# KiCad board RS64c.kicad_pcb (continued)
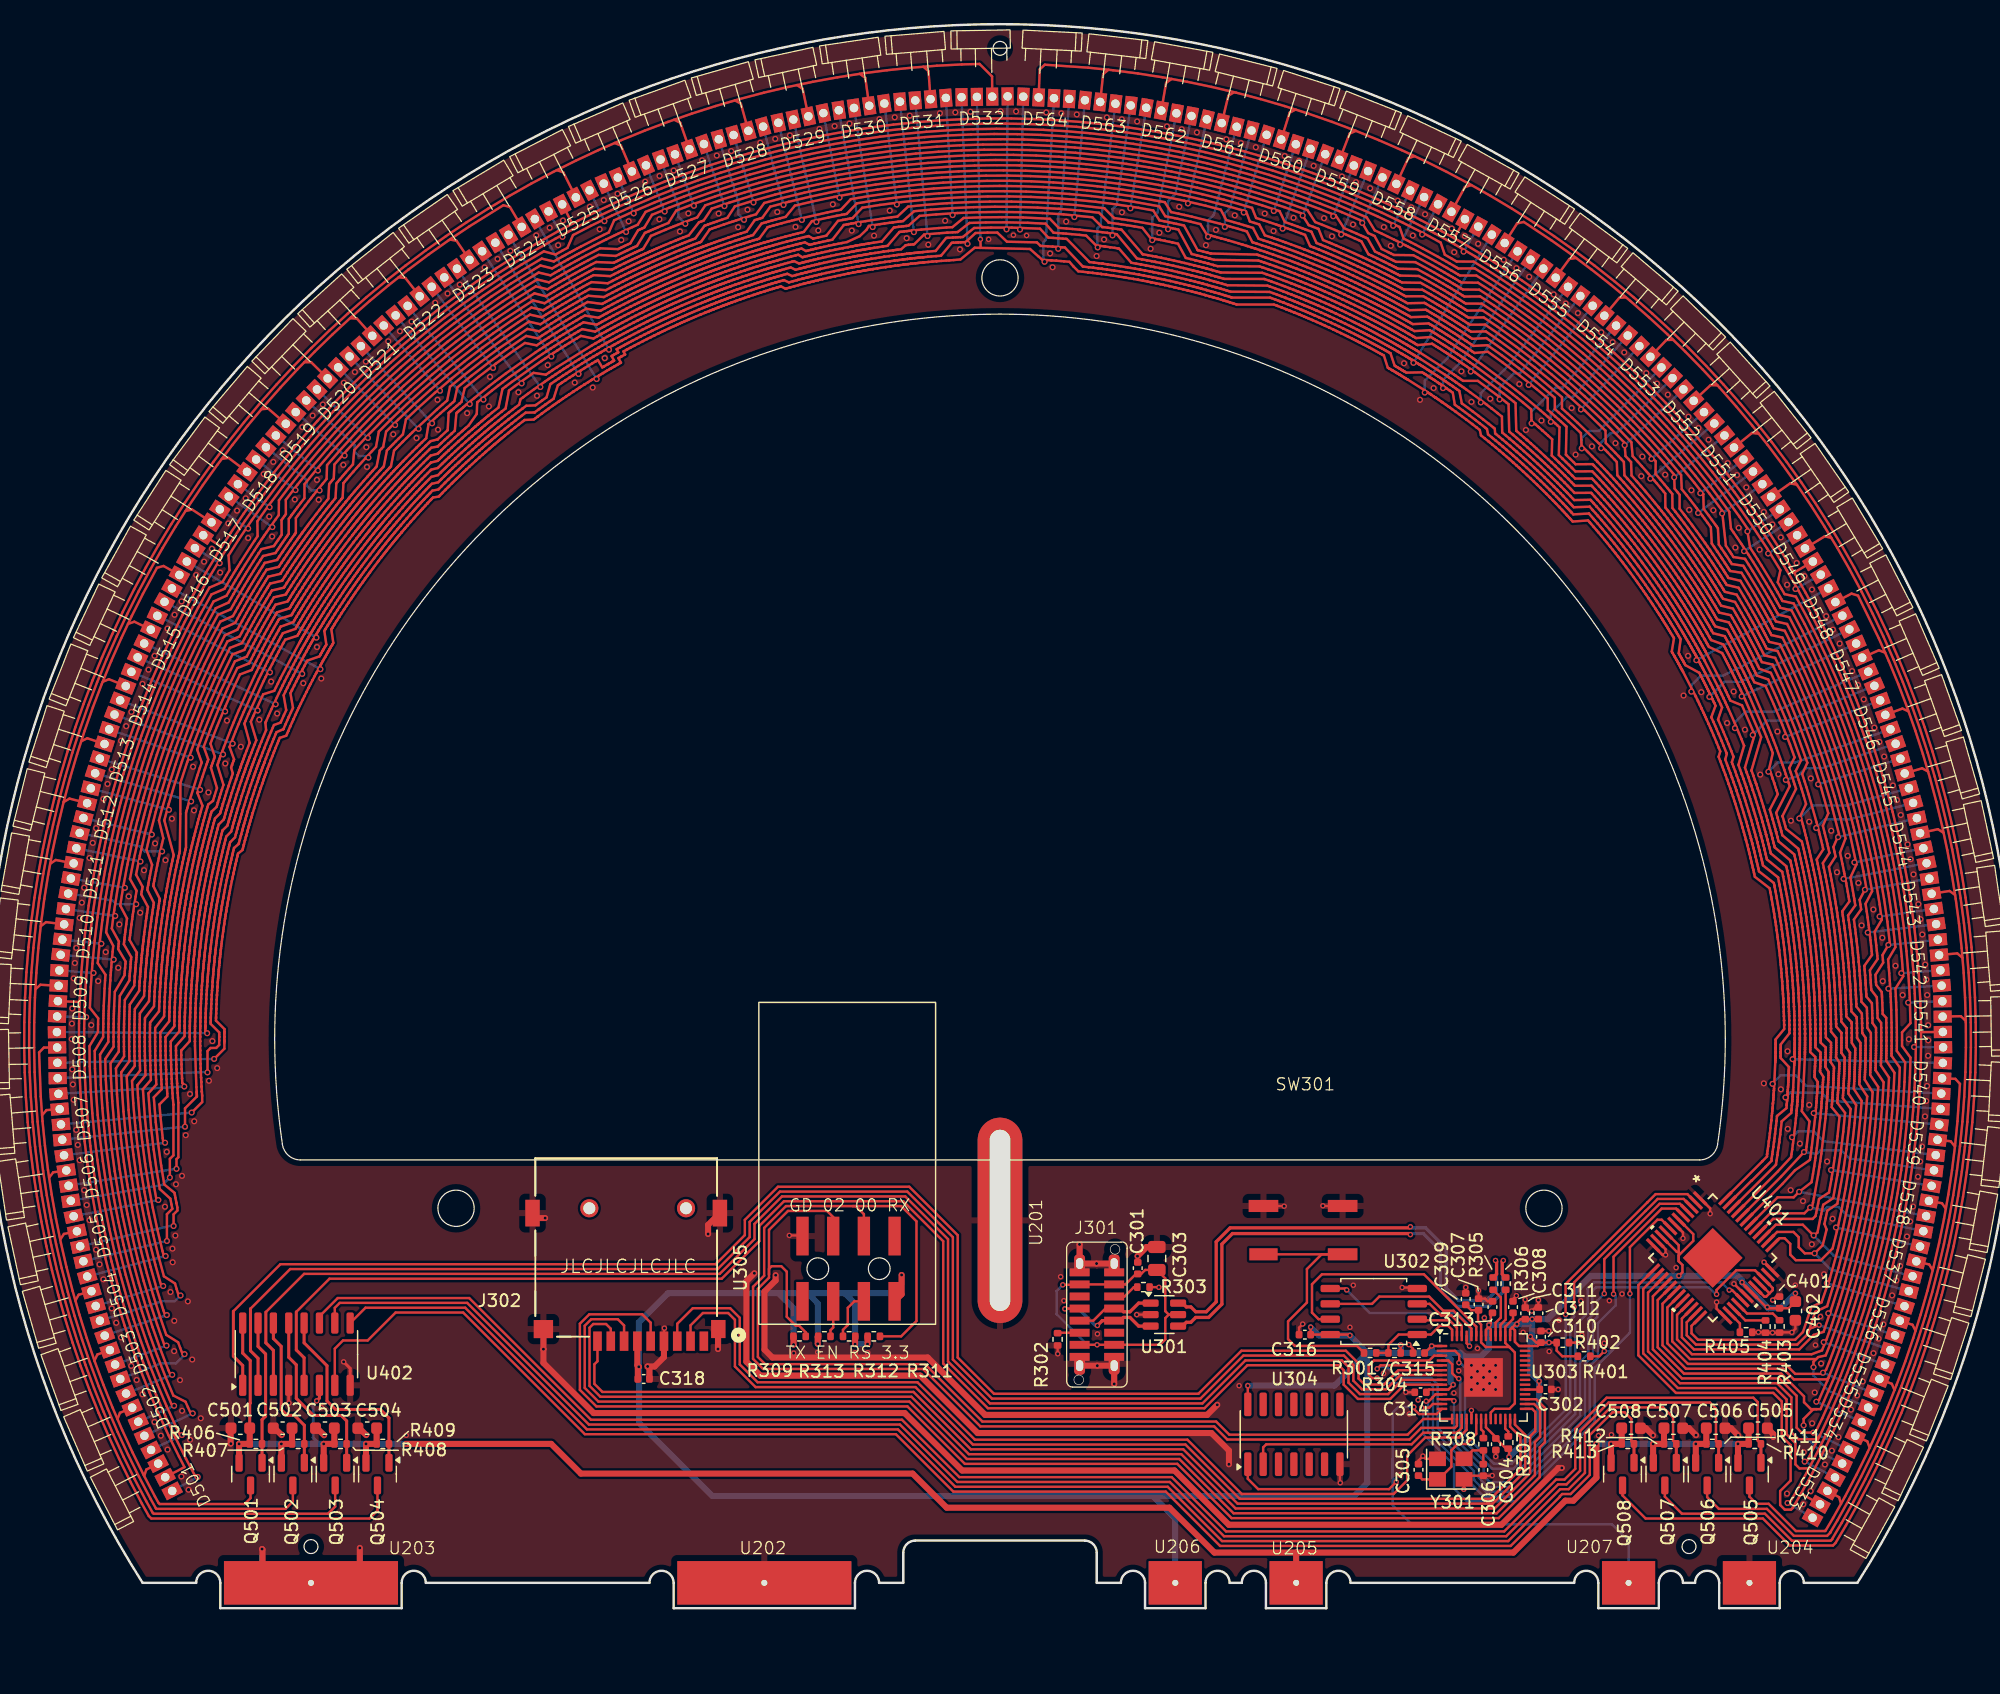
[diagram p0: board, top side]
## Routing (per net, layer and track width the routed paths; a pad name or vN(x,y) marks a point on that pad's centre or on a via; arc(x,y) is an arc through that point) (continued)
LED_G07: length 334.3
  Top w0.2: v2(18.44,44.34) 18.44,46.11 18.69,46.37 19.16,46.37 19.4,46.62 19.4,46.95 19.4,47.02 19.4,47.26 19.4,47.33 19.41,47.5 19.41,47.66 18.7,48.36 18.7,48.5 18.71,48.6 18.71,48.81 18.72,48.96 18.72,49.16 18.73,49.26 18.73,49.52 18.74,49.64 18.75,50.02 18.77,50.39 18.79,50.76 18.79,50.8 18.81,51.13 18.83,51.36 18.84,51.5 18.86,51.79 18.86,51.86 18.87,51.99 18.89,52.15 18.89,52.22 18.9,52.35 18.91,52.5 18.93,52.71 18.95,52.87 18.95,52.93 18.96,53.08 18.98,53.24 19,53.44 19.01,53.61 19.03,53.81 19.05,53.98 19.07,54.17 19.09,54.29 19.11,54.49 19.13,54.65 19.15,54.85 19.17,55.04 19.2,55.21 19.25,55.61 19.26,55.68 19.3,56.04 19.31,56.09 19.33,56.25 19.36,56.4 19.39,56.61 19.41,56.74 19.44,56.97 19.47,57.16 19.49,57.32 19.52,57.49 19.55,57.69 19.58,57.86 19.62,58.06 19.63,58.16 19.65,58.23 19.67,58.37 19.7,58.53 19.73,58.73 19.76,58.89 19.8,59.09 19.83,59.24 19.87,59.46 19.94,59.82 19.95,59.89 20.03,60.25 20.07,60.46 20.1,60.62 20.15,60.82 20.18,60.97 20.23,61.19 20.26,61.34 20.3,61.52 20.34,61.71 20.39,61.92 20.43,62.06 20.47,62.26 20.5,62.35 20.52,62.44 20.54,62.56 20.58,62.72 20.63,62.92 21.02,63.26 21.04,63.32 21.1,63.57 21.13,63.69 21.19,63.9 21.23,64.06 21.31,64.34 21.33,64.43 21.36,64.54 21.41,64.7 21.44,64.81 21.47,64.93 21.49,65 21.55,65.19 21.57,65.26 21.6,65.37 21.66,65.58 21.71,65.74 21.77,65.95 21.88,66.32 21.97,66.6 22.09,66.97 22.21,67.34 22.23,67.4 22.33,67.72 22.42,67.97 22.44,68.04 22.57,68.4 22.64,68.6 22.69,68.76 22.77,68.97 22.82,69.12 22.89,69.31 22.93,69.41 22.95,69.48 23.01,69.62 23.07,69.79 23.14,69.99 23.16,70.03 23.27,70.33 23.28,70.36 23.38,70.61 23.42,70.71 23.53,70.99 23.56,71.08 23.67,71.36 23.68,71.38 23.83,71.73 23.91,71.95 23.92,71.97 24.08,72.34 24.09,72.37 24.15,72.5 24.72,72.75 24.88,73.12 24.91,73.19 25.04,73.49 25.14,73.71 25.17,73.78 25.34,74.15 25.44,74.35 25.51,74.52 25.3,75.73 25.4,75.94 25.43,76 25.6,76.34 25.61,76.36 25.77,76.68 25.79,76.72 25.9,76.92 25.95,77.02 26.12,77.35 26.29,77.68 26.47,78.01 26.58,78.23 26.64,78.33 26.69,78.42 27.71,78.78 27.8,78.94 27.87,79.08 27.97,79.24 28.02,79.34 28.06,79.4 28.15,79.55 28.18,79.61 28.27,79.76 28.1,80.88 28.16,80.97 28.21,81.06 28.32,81.23 28.41,81.38 28.51,81.54 28.56,81.62 28.6,81.69 28.7,81.84 28.76,81.94 28.8,82 28.96,82.26 28.99,82.31 29.16,82.57 29.19,82.61 29.37,82.89 29.39,82.92 29.57,83.19 29.7,83.39 29.77,83.5 29.94,83.74 29.98,83.8 30.05,83.91 30.14,84.04 30.18,84.1 30.26,84.21 30.34,84.33 30.46,84.5 30.55,84.64 30.59,84.69 30.67,84.81 30.77,84.94 30.89,85.11 30.98,85.24 31.1,85.4 31.2,85.54 31.32,85.7 31.39,85.8 31.51,85.96 31.6,86.09 31.72,86.25 31.83,86.4 31.94,86.54 32.18,86.86 32.25,86.94 32.45,87.2 32.48,87.24 32.58,87.36 32.68,87.49 32.71,87.54 32.8,87.65 32.89,87.76 32.95,87.83 33.03,87.94 33.15,88.09 33.26,88.22 33.36,88.34 33.43,88.43 33.52,88.54 33.6,88.64 33.67,88.72 33.73,88.79 33.8,88.88 33.84,88.93 33.93,89.04 34.04,89.16 34.17,89.32 34.28,89.44 34.42,89.62 34.51,89.71 34.65,89.88 34.68,89.91 34.89,90.15 34.94,90.21 35.18,90.49 35.32,90.64 35.43,90.77 35.48,90.81 35.57,90.92 35.65,91.01 35.75,91.11 35.82,91.2 35.93,91.31 36.02,91.41 36.06,91.45 36.17,91.57 36.33,91.75 36.43,91.85 36.58,92.01 36.64,92.07 36.7,92.14 36.78,92.22 36.9,92.34 37.04,92.49 37.54,92.59 37.59,92.64 37.77,92.83 37.83,92.88 38.01,93.06 38.12,93.17 38.34,93.39 38.4,93.45 38.48,93.53 38.6,93.65 38.68,93.73 38.77,93.81 38.83,93.87 38.97,94 39.02,94.05 39.11,94.13 39.26,94.28 39.39,94.4 39.54,94.55 39.83,94.81 40.04,95.01 40.33,95.27 40.38,95.32 40.62,95.53 40.67,95.58 40.91,95.8 40.95,95.83 41.12,95.97 41.24,96.08 41.46,96.27 41.53,96.33 41.62,96.41 41.75,96.52 41.92,96.67 42.04,96.77 42.2,96.9 42.28,96.97 42.33,97.02 42.45,97.11 42.58,97.22 42.75,97.36 42.79,97.39 43.03,97.59 43.06,97.61 43.27,97.78 43.35,97.84 43.58,98.03 43.66,98.1 43.9,98.28 43.91,98.29 44.21,98.53 44.4,98.67 44.42,98.68 44.74,98.93 44.76,98.95 45.5,98.97 45.82,99.21 45.88,99.25 46.15,99.44 46.34,99.58 46.4,99.63 46.73,99.86 46.92,99.99 47.07,100.1 47.42,101.21 47.49,101.25 47.68,101.38 47.74,101.42 48.06,101.63 48.08,101.64 48.38,101.84 48.42,101.86 48.6,101.99 48.69,102.04 49.01,102.25 49.32,102.44 49.64,102.64 49.95,102.83 50.27,103.02 50.54,103.19 50.58,103.21 50.73,103.3 51.1,102.69 51.25,102.78 51.56,102.96 51.65,103.01 51.86,103.13 51.93,103.17 52.08,103.26 51.86,103.63 51.96,103.68 52.05,103.74 52.26,103.85 52.42,103.94 52.28,104.19 52.37,104.24 52.59,104.36 52.68,104.41 52.86,104.51 53,104.58 53.17,104.68 53.26,104.72 53.49,104.84 53.59,104.9 53.93,105.07 54.26,105.25 54.3,105.27 54.59,105.41 54.62,105.43 54.92,105.58 54.95,105.59 55.13,105.68 55.25,105.74 55.52,105.87 55.58,105.9 55.7,105.96 55.84,106.03 55.91,106.06 56.02,106.11 56.16,106.18 56.35,106.27 56.5,106.34 56.55,106.36 56.68,106.42 56.83,106.49 57.02,106.58 57.17,106.64 57.35,106.73 57.51,106.8 57.69,106.88 57.8,106.92 57.98,107 58.13,107.07 58.31,107.15 58.48,107.22 58.65,107.29 59.02,107.44 59.12,107.49 59.39,107.6 59.47,107.63 59.61,107.69 59.77,107.75 59.82,107.77 59.95,107.82 60.08,107.87 60.17,107.91 60.29,107.95 60.47,108.02 60.63,108.08 60.78,108.14 60.89,108.19 61.01,108.23 61.13,108.28 61.26,108.33 61.42,108.38 61.49,108.41 61.63,108.46 61.77,108.51 61.97,108.58 62.12,108.64 62.31,108.7 62.45,108.75 62.66,108.83 62.74,108.85 63.01,108.95 63.1,108.98 63.43,109.09 63.63,109.15 63.79,109.2 63.82,109.22 63.98,109.27 64.1,109.3 64.34,109.38 64.49,109.43 64.67,109.48 64.83,109.53 65.05,109.6 65.2,109.64 65.4,109.7 65.48,109.73 65.57,109.76 65.68,109.79 65.84,109.84 66.04,109.89 66.13,109.92 66.53,109.73 66.59,109.75 66.84,109.82 66.92,109.84 67.17,109.9 67.31,109.94 67.61,110.02 67.7,110.04 67.81,110.07 67.99,110.12 68.08,110.14 68.2,110.17 68.27,110.19 68.47,110.24 68.54,110.26 68.65,110.28 68.86,110.33 69.03,110.37 69.24,110.42 69.61,110.51 69.9,110.57 70.28,110.66 70.66,110.74 70.72,110.75 71.05,110.82 71.31,110.87 71.38,110.88 71.75,110.96 71.8,110.97 71.96,111 72.13,111.03 72.2,111.04 72.35,111.07 72.51,111.1 72.6,111.11 72.71,111.13 72.82,111.15 72.89,111.16 73.03,111.19 73.21,111.22 73.42,111.25 73.46,111.26 73.78,111.31 73.81,111.32 74.08,111.36 74.48,111.42 74.51,111.42 74.87,111.48 74.9,111.48 75.28,111.53 75.5,111.56 75.67,111.58 75.93,111.62 76.06,111.63 76.17,111.65 76.34,111.67 76.56,111.69 76.63,111.7 76.73,111.71 76.94,111.74 77.03,111.75 77.19,111.76 77.33,111.78 77.43,111.79 77.6,111.8 77.72,111.82 78,111.84 78.05,111.85 78.31,111.87 78.72,111.9 79.11,111.94 79.12,111.94 80.01,113 80.14,113.01 80.36,113.02 80.54,113.03 80.76,113.05 80.94,113.05 81.16,113.06 ; v2(81.31,112.92) 81.31,113.04 81.35,113.07 81.16,113.06 ; 81.16,113.06 81.98,113.82 82.97,113.85 83.78,113.85 84.58,113.1 87.05,113.04 87.36,112.75 87.55,112.74 87.95,112.72 88.35,112.69 88.75,112.66 89.14,112.63 89.37,112.62 90.86,111.03 90.92,111.03 91.32,110.99 91.36,110.98 91.71,110.94 91.75,110.94 92.09,110.89 92.14,110.89 92.37,110.86 92.47,110.84 92.84,110.79 92.85,110.79 93.23,110.74 93.45,110.71 93.9,110.64 94.33,110.57 94.49,110.54 94.72,110.51 95.11,110.44 95.5,110.37 95.55,110.36 95.87,110.3 95.93,110.29 96.28,110.22 96.31,110.22 96.53,110.17 96.65,110.15 96.91,110.09 97.02,110.07 97.31,110.01 97.38,110 97.6,109.95 97.71,109.93 98.04,109.85 98.1,109.84 98.49,109.75 98.61,109.72 98.88,109.66 99.25,109.57 99.62,109.48 99.69,109.46 99.98,109.39 100.06,109.37 100.28,109.31 100.43,109.27 100.66,109.21 100.76,109.18 101.04,109.11 101.12,109.08 101.42,109 101.47,108.99 101.68,108.93 101.8,108.89 102.11,108.8 102.18,108.78 102.43,108.71 102.57,108.67 102.67,108.63 102.79,108.6 102.95,108.55 103.05,108.52 103.14,108.49 103.16,108.47 106.34,108.47 106.46,108.43 106.72,108.33 106.81,108.3 107,108.23 107.15,108.17 107.42,108.07 107.5,108.04 107.77,107.93 107.85,107.9 108.03,107.83 108.12,107.79 108.22,107.75 108.44,107.66 108.58,107.61 108.81,107.51 108.97,107.45 109.16,107.37 109.31,107.31 109.42,107.26 109.49,107.23 109.66,107.16 109.83,107.09 109.96,107.03 110.02,107 110.37,106.85 110.42,106.83 110.71,106.7 110.79,106.66 110.94,106.59 111.06,106.54 111.12,106.51 111.4,106.38 111.45,106.36 111.74,106.23 111.77,106.21 111.96,106.12 112.07,106.07 112.35,105.93 112.4,105.91 112.72,105.76 112.86,105.69 112.98,105.63 113.07,105.58 113.31,105.47 113.39,105.42 113.49,105.37 113.64,105.3 113.71,105.26 113.82,105.21 113.97,105.13 114.14,105.04 114.3,104.96 114.47,104.87 114.63,104.78 114.8,104.69 114.96,104.6 115.13,104.52 115.3,104.42 115.46,104.34 115.63,104.24 115.79,104.15 115.9,104.09 115.97,104.05 116.12,103.97 116.21,103.92 116.3,103.86 116.65,102.84 116.75,102.77 116.87,102.7 117.01,102.62 117.09,102.58 117.2,102.51 117.31,102.44 117.42,102.38 117.48,102.34 117.62,102.26 118.93,102.28 119.08,102.19 119.14,102.15 119.24,102.09 119.39,101.99 119.56,101.88 119.7,101.79 119.87,101.68 120.01,101.59 120.19,101.47 120.33,101.37 120.5,101.26 120.66,101.15 120.82,101.04 120.95,100.96 120.98,100.93 121.14,100.82 121.26,100.74 121.46,100.6 121.62,99.61 121.66,99.58 121.95,99.37 121.98,99.35 122.28,99.13 122.47,98.99 122.81,98.73 122.85,98.7 123.31,98.35 123.36,98.32 123.69,98.06 123.7,98.06 124.18,97.68 124.28,97.59 124.37,97.15 124.69,96.89 124.81,96.79 125,96.64 125.3,96.39 125.6,96.14 125.64,96.1 125.89,95.89 125.94,95.85 126.21,95.61 126.23,95.6 126.4,95.45 126.49,95.36 126.69,95.19 126.77,95.12 126.99,94.92 127.05,94.87 127.21,94.72 127.3,94.64 127.54,94.42 127.59,94.37 127.89,94.1 127.97,94.02 128.17,93.83 128.45,93.57 128.73,93.3 128.78,93.25 129,93.04 129.05,92.99 129.21,92.82 129.32,92.72 129.49,92.55 129.56,92.48 129.77,92.27 129.83,92.21 130.04,91.99 130.09,91.95 130.24,91.79 130.32,91.7 130.55,91.47 130.6,91.42 130.78,91.22 130.87,91.12 130.95,91.05 131.03,90.96 131.15,90.83 131.21,90.76 131.28,90.69 131.42,90.53 132.71,90.6 132.72,90.59 132.97,90.31 133.12,90.14 133.21,90.04 133.42,89.8 133.45,89.76 133.69,89.48 133.8,89.35 133.83,89.31 134.12,88.97 134.36,88.68 134.49,88.52 134.59,88.4 134.78,88.18 134.82,88.11 135.01,87.88 135.05,87.83 135.19,87.66 135.25,87.59 135.46,87.32 135.48,87.3 135.7,87 135.81,86.86 135.93,86.71 136.1,86.48 136.15,86.42 136.37,86.13 136.45,86.01 136.5,85.95 136.75,85.6 136.99,85.27 137.09,85.14 137.2,84.98 137.38,84.73 137.41,84.69 137.59,84.43 137.62,84.39 137.74,84.22 137.8,84.13 137.98,83.86 138.01,83.83 138.21,83.52 138.3,83.4 138.37,83.29 138.42,83.2 138.57,82.98 138.62,82.9 138.68,82.81 138.77,82.67 138.82,82.6 138.88,82.5 138.97,82.36 139.08,82.19 139.17,82.05 139.28,81.88 139.37,81.73 139.47,81.57 139.57,81.41 139.67,81.25 139.77,81.08 139.87,80.93 139.97,80.76 140.06,80.6 140.13,80.5 140.17,80.43 140.25,80.28 140.31,80.19 140.15,79.04 140.21,78.93 140.28,78.81 140.35,78.67 140.4,78.59 140.46,78.47 140.53,78.36 140.59,78.25 140.62,78.19 140.7,78.05 141.85,77.42 141.93,77.26 141.96,77.19 142.02,77.08 142.1,76.93 142.19,76.75 142.27,76.6 142.36,76.42 142.43,76.27 142.53,76.08 142.6,75.93 142.7,75.74 142.78,75.57 ; 149.13,42.26 149.12,42.16 149.11,42 149.11,41.96 149.09,41.77 149.08,41.62 149.06,41.38 148.28,40.74 148.28,40.7 148.24,40.34 148.24,40.31 148.2,39.94 148.17,39.71 148.17,39.67 148.12,39.28 148.11,39.23 148.07,38.88 148.04,38.65 148.03,38.55 147.98,38.18 147.97,38.17 147.92,37.79 147.89,37.57 147.83,37.21 147.83,37.03 146.21,35.41 146.19,35.41 U401.47 ; 149.13,42.26 149.14,42.38 149.15,42.54 149.17,42.76 149.18,42.92 149.19,43.16 149.2,43.33 149.21,43.5 149.22,43.67 149.22,43.73 149.23,43.87 149.24,44.05 149.24,44.12 149.25,44.29 149.25,44.42 149.26,44.52 149.26,44.6 149.27,44.7 149.27,44.79 148.58,45.54 148.58,45.7 148.58,45.92 148.59,46.07 148.59,46.25 148.59,46.45 148.59,46.61 148.59,46.67 149.31,47.58 149.31,47.87 149.3,47.94 149.3,48.25 149.3,48.31 149.29,48.63 149.29,48.67 149.28,49.01 149.27,49.23 149.27,49.39 149.26,49.77 149.25,49.79 149.24,50.14 149.23,50.3 149.22,50.43 149.22,50.51 149.21,50.78 149.2,50.88 149.18,51.14 149.17,51.31 149.17,51.37 149.16,51.53 149.13,51.89 149.13,51.93 149.11,52.25 149.1,52.36 149.08,52.58 149.08,52.62 149.05,52.93 149.04,52.99 149.02,53.29 149,53.48 148.98,53.65 148.94,54.05 148.89,54.49 148.88,54.55 148.87,54.7 148.82,55.06 148.81,55.13 148.78,55.42 148.75,55.62 148.73,55.79 148.68,56.16 148.67,56.19 148.63,56.53 148.61,56.62 148.58,56.83 148.57,56.9 148.52,57.2 148.51,57.27 148.47,57.56 148.44,57.72 148.41,57.92 148.34,58.29 148.27,58.73 148.26,58.77 148.23,58.94 148.16,59.3 148.15,59.36 148.09,59.67 148.06,59.83 148.02,60.02 146.79,60.98 146.74,61.19 146.72,61.29 146.7,61.38 146.66,61.55 146.63,61.67 146.61,61.78 146.58,61.91 146.51,62.17 146.5,62.24 146.42,62.56 146.38,62.7 146.34,62.88 146.32,62.94 146.25,63.24 146.22,63.32 146.15,63.6 146.12,63.72 146.06,63.93 146.02,64.08 145.96,64.3 145.94,64.37 145.86,64.67 145.84,64.74 145.73,65.11 145.62,65.48 145.55,65.74 145.51,65.85 145.37,66.3 145.24,66.72 145.17,66.93 145.05,67.29 145.04,67.32 144.94,67.64 144.9,67.76 144.82,67.97 144.81,68 144.7,68.34 144.68,68.39 144.57,68.7 144.55,68.76 144.41,69.13 144.28,69.49 144.2,69.71 144.14,69.87 144,70.24 144.13,70.7 144.09,70.8 143.86,71.37 143.86,71.38 143.7,71.77 143.68,71.82 143.45,72.35 143.44,72.4 143.26,72.79 143.17,73.01 143.02,73.35 143.01,73.38 142.86,73.71 142.84,73.75 143.19,74.69 143.09,74.91 143.03,75.04 142.95,75.21 142.93,75.26 142.86,75.39 142.78,75.57 ; 149.13,42.26 v2(148.98,42.27) ; 142.78,75.57 v2(142.68,75.42)
  Bottom w0.2: D532.4 v2(81.31,112.92) ; D524.4 v2(49.13,102.15) ; v2(148.98,42.27) 149.38,42.67 151.95,42.67 152.62,42 D540.4 ; D516.4 v2(26.28,77.33) ; D508.4 18.26,44.38 18.41,44.38 v2(18.44,44.34) ; D548.4 145.28,76.67 143.93,76.67 v2(142.68,75.42) ; D556.4 122.11,103.13 120.65,101.66 v2(120.65,100.98) ; D564.4 89.05,115.6 88.82,115.37 v2(88.82,112.51)
LED_r00: length 11.9
  Top w0.25: Q501.1 R406.2 22.95,15.6 23.24,15.9 23.24,21.04 22.62,21.67 U402.15
LED_R00: length 362.8
  Top w0.2: D541.3 160.2,47.68 ; D509.3 7.86,50.17 ; D525.3 48.62,114.59 ; D501.3 16.53,11.68 16.08,12.55 15.22,14.31 14.4,16.08 13.62,17.88 12.9,19.7 12.22,21.53 11.59,23.38 11,25.25 10.46,27.13 9.97,29.02 9.54,30.93 9.14,32.84 8.8,34.77 8.51,36.71 8.27,38.65 8.08,40.59 7.94,42.54 7.84,44.5 7.8,46.45 7.81,48.41 7.87,50.36 7.98,52.32 8.14,54.27 8.35,56.21 8.61,58.15 8.91,60.08 9.27,62 9.68,63.92 10.13,65.82 10.64,67.71 11.19,69.59 11.79,71.45 12.44,73.29 13.14,75.12 13.88,76.93 14.67,78.72 15.5,80.49 16.38,82.24 17.31,83.96 18.28,85.66 19.29,87.33 20.34,88.98 21.44,90.6 22.57,92.19 23.75,93.76 24.97,95.29 26.23,96.79 27.52,98.25 28.85,99.68 30.22,101.08 31.62,102.45 33.06,103.77 34.53,105.06 36.04,106.31 37.57,107.52 39.14,108.69 40.73,109.83 42.36,110.92 44.01,111.96 45.69,112.97 47.39,113.93 49.12,114.85 50.87,115.72 52.64,116.55 54.43,117.33 56.25,118.07 58.08,118.76 59.92,119.4 61.79,119.99 63.67,120.54 65.56,121.03 67.46,121.48 69.38,121.88 71.3,122.23 73.23,122.54 75.17,122.79 77.12,122.99 79.07,123.14 81.02,123.24 82.98,123.29 84.93,123.29 86.89,123.25 88.84,123.15 90.79,123 92.74,122.8 94.68,122.55 96.61,122.25 98.54,121.9 100.45,121.5 102.36,121.06 104.25,120.56 106.13,120.02 107.99,119.42 109.84,118.78 111.67,118.1 113.48,117.36 115.28,116.58 117.05,115.76 118.8,114.89 120.53,113.97 122.24,113.01 123.91,112.01 125.57,110.96 127.19,109.88 128.79,108.75 130.36,107.58 131.89,106.37 133.4,105.12 134.87,103.83 136.31,102.51 137.72,101.14 139.09,99.75 140.42,98.32 141.72,96.85 142.97,95.35 144.19,93.82 145.37,92.26 146.51,90.67 147.61,89.05 148.67,87.41 149.68,85.74 150.65,84.04 151.57,82.31 152.46,80.57 153.29,78.8 154.08,77.01 154.83,75.2 155.53,73.37 156.18,71.53 156.78,69.67 157.34,67.79 157.84,65.9 158.3,64 158.71,62.09 159.07,60.17 159.38,58.24 159.64,56.3 159.85,54.35 160.01,52.4 160.13,50.45 160.19,48.5 160.2,46.54 160.16,44.58 160.07,42.63 159.93,40.68 159.74,38.73 159.5,36.79 159.21,34.86 158.87,32.93 158.48,31.01 158.04,29.11 157.56,27.21 157.02,25.33 156.44,23.46 155.81,21.61 155.13,19.78 154.41,17.96 153.64,16.16 152.82,14.39 151.96,12.63 151.05,10.9 150.1,9.19 149.57,8.28 149.44,8.16 148.92,8.16 148.54,8.54 148.54,9.7 149.4,10.56 149.4,13.5 148.67,14.23 148.67,17.11 147.96,17.82 139.92,17.82 136.81,20.93 136.81,26.73 U401.13 ; D533.3 150.27,9.49 ; D517.3 19.61,87.84 ; D557.3 121.57,113.39 ; D549.3 149.69,85.71
LED_R01: length 352.9
  Top w0.2: 116.7,114.48 115.23,115.19 113.47,115.97 111.7,116.7 109.9,117.39 108.09,118.03 106.26,118.63 104.42,119.17 102.56,119.67 100.69,120.13 98.81,120.53 96.92,120.89 95.02,121.19 93.12,121.45 91.21,121.66 89.29,121.82 87.37,121.93 85.45,122 83.53,122.01 81.6,121.97 79.68,121.89 77.77,121.75 75.85,121.57 73.94,121.33 72.04,121.05 70.15,120.72 68.26,120.34 66.39,119.91 64.52,119.43 62.67,118.91 60.84,118.34 59.02,117.72 57.21,117.06 55.43,116.35 53.66,115.59 52.08,114.87 51.64,113.87 51.2,113.65 50.63,113.37 49.34,112.7 48.98,112.51 48.78,112.4 48.62,112.32 48.42,112.21 48.06,112.01 48,111.97 47.79,111.86 47.44,111.66 47.09,111.46 46.09,111.7 44.48,110.73 42.86,109.7 41.26,108.62 39.7,107.51 38.16,106.35 36.66,105.15 35.18,103.92 33.74,102.65 32.33,101.34 30.95,99.99 29.61,98.61 28.31,97.2 27.04,95.76 25.81,94.28 24.62,92.77 23.47,91.23 22.56,89.95 22.58,88.73 22.31,88.33 21.96,87.79 21.17,86.57 20.96,86.22 20.84,86.03 20.74,85.88 20.62,85.68 20.41,85.33 20.37,85.27 20.25,85.06 20.05,84.72 19.84,84.37 18.77,83.9 17.95,82.43 17.06,80.73 16.22,79 15.42,77.25 14.67,75.48 13.97,73.69 13.31,71.88 12.69,70.06 12.13,68.22 11.61,66.37 11.14,64.51 10.72,62.63 10.34,60.74 10.02,58.85 9.74,56.95 9.51,55.04 9.36,53.39 10,52.43 9.96,51.94 9.92,51.3 9.86,49.85 9.84,49.44 9.83,49.22 9.83,49.04 9.82,48.81 9.82,48.4 9.81,48.33 9.81,48.09 9.81,47.68 9.8,47.28 9.11,46.12 9.13,44.66 9.22,42.74 9.35,40.82 9.54,38.9 9.77,37 10.06,35.09 10.39,33.2 10.77,31.32 11.2,29.44 11.68,27.58 12.2,25.73 12.78,23.89 13.39,22.07 14.06,20.27 14.77,18.48 15.53,16.71 ; 116.7,114.48 v2(116.52,114.41) ; 116.7,114.48 117.05,114.31 117.39,113.36 117.96,113.07 118.39,112.84 118.96,112.54 120.24,111.84 120.59,111.65 120.94,111.45 121.14,111.33 121.21,111.29 121.56,111.08 121.76,110.97 121.91,110.88 123.27,110.89 124.46,110.15 126.06,109.09 127.64,107.99 129.19,106.85 130.71,105.67 132.19,104.45 133.65,103.19 135.07,101.9 136.46,100.57 137.82,99.21 139.14,97.81 140.42,96.38 141.67,94.91 142.88,93.42 144.04,91.89 145.17,90.33 145.83,89.37 v2(145.83,89.12) 146.05,87.78 146.4,87.23 146.66,86.82 147,86.28 147.76,85.04 147.97,84.69 148.17,84.34 148.29,84.14 148.33,84.07 148.53,83.72 148.64,83.52 148.73,83.36 149.66,83.15 150.57,81.46 151.43,79.74 152.24,77.99 153.01,76.23 153.74,74.45 154.42,72.65 155.05,70.84 155.64,69.01 156.17,67.16 156.66,65.3 157.11,63.43 157.5,61.55 157.85,59.66 158.15,57.76 158.4,55.85 158.6,53.94 158.7,52.57 ; v2(158.56,52.56) 158.7,52.57 ; 158.7,52.57 158.72,52.3 158.08,51.28 158.11,50.64 158.13,50.15 158.16,49.52 158.19,48.06 158.19,47.66 158.19,47.25 158.19,47.02 158.19,46.94 158.19,46.53 158.19,46.3 158.19,46.12 158.88,45.16 158.83,43.55 158.71,41.63 158.55,39.72 158.33,37.81 158.07,35.9 157.76,34.01 157.4,32.12 156.99,30.24 156.53,28.37 156.03,26.51 155.47,24.67 154.87,22.85 154.23,21.03 153.54,19.24 152.8,17.46 152.01,15.71 151.47,14.59 151.42,14.53 v2(151.29,14.53) 150.31,14.53 149.9,14.94 149.9,17.58 148.46,19.02 140.41,19.02 138.01,21.42 138.01,25.81 U401.16
  Bottom w0.2: D550.3 v2(145.83,89.12) ; D526.3 v2(53.7,115.44) ; D510.3 v2(9.66,55) ; D518.3 v2(23.57,91.12) ; D558.3 v2(116.52,114.41) ; D534.3 v2(151.29,14.53) ; D502.3 v2(15.68,16.75) ; D542.3 v2(158.56,52.56)
LED_r01: length 13
  Top w0.25: Q502.1 R407.2 26.45,15.14 25.63,15.96 25.02,15.96 24.53,16.45 24.53,21.67 23.89,22.32 U402.14
LED_R02: length 345.5
  Top w0.2: 14.89,21.71 14.27,23.5 13.68,25.29 13.15,27.11 12.66,28.93 12.21,30.77 11.82,32.62 11.47,34.47 11.17,36.34 10.92,38.21 10.71,40.09 10.56,41.97 10.45,43.86 10.42,45.09 11.1,46.07 11.1,46.48 11.09,46.88 11.09,47.28 11.1,47.68 11.1,48.07 11.1,48.3 11.11,48.38 11.11,48.78 11.12,49 11.12,49.18 11.13,49.4 11.14,49.8 11.19,50.68 11.97,51.96 12,52.28 12,52.36 12.01,52.51 12.03,52.68 12.03,52.76 12.04,52.9 12.06,53.07 12.08,53.3 12.09,53.48 12.1,53.55 12.11,53.71 12.13,53.89 11.52,54.95 11.54,55.13 11.56,55.35 11.58,55.53 11.61,55.75 11.63,55.96 11.66,56.15 11.72,56.6 11.78,57.08 11.22,58.15 11.46,59.68 11.81,61.54 12.2,63.39 12.65,65.23 13.13,67.05 13.67,68.86 14.25,70.66 14.88,72.44 15.55,74.21 16.27,75.96 17.03,77.69 17.84,79.4 18.69,81.08 19.31,82.22 20.36,82.67 20.56,83.03 20.76,83.38 20.96,83.72 21.16,84.06 21.36,84.4 21.48,84.6 21.52,84.67 21.73,85.01 21.84,85.2 21.94,85.35 22.05,85.54 22.26,85.88 22.38,86.06 22.6,86.4 22.82,86.74 23.04,87.08 24.06,87.33 24.24,87.6 24.29,87.67 24.37,87.79 24.47,87.93 24.51,88 24.59,88.12 24.69,88.26 24.82,88.44 24.92,88.59 24.96,88.65 25.06,88.78 25.16,88.92 25.16,90.15 25.27,90.3 25.4,90.48 25.51,90.62 25.64,90.8 25.77,90.97 25.89,91.12 26.16,91.48 26.46,91.86 26.46,93.02 27.48,94.28 28.71,95.71 29.98,97.12 31.28,98.49 32.62,99.82 33.99,101.12 35.39,102.39 36.82,103.62 38.29,104.81 39.79,105.96 41.31,107.08 42.87,108.16 44.45,109.19 45.71,109.97 46.69,109.73 47.04,109.94 47.38,110.14 47.73,110.34 48.07,110.54 48.42,110.73 48.62,110.85 48.69,110.88 49.04,111.08 49.24,111.18 49.39,111.27 49.59,111.37 49.94,111.56 50.8,112 52.22,111.92 52.51,112.06 52.58,112.1 52.72,112.16 52.87,112.24 52.95,112.27 53.07,112.33 53.23,112.4 53.43,112.5 53.6,112.58 53.66,112.61 53.81,112.67 53.97,112.75 54.62,113.82 54.75,113.88 54.96,113.97 55.12,114.04 55.33,114.13 55.52,114.21 55.7,114.29 56.11,114.46 56.56,114.65 57.21,115.67 58.66,116.22 60.44,116.85 62.24,117.43 64.05,117.97 65.88,118.45 67.71,118.9 69.56,119.29 71.42,119.64 73.28,119.94 75.16,120.19 77.04,120.39 78.92,120.54 80.81,120.65 82.7,120.71 84.59,120.72 86.47,120.68 88.36,120.59 90.25,120.45 92.13,120.27 94,120.04 95.87,119.76 97.73,119.43 99.59,119.05 101.43,118.63 103.26,118.16 105.07,117.64 106.88,117.07 108.67,116.46 110.44,115.81 111.77,115.27 ; 111.77,115.27 v2(111.57,115.2) ; 111.77,115.27 112.46,114.22 113.05,113.97 113.49,113.77 113.91,113.59 114.08,113.51 114.27,113.42 114.41,113.36 115.02,112.29 115.34,112.13 115.38,112.11 115.75,111.93 115.9,111.86 116.03,111.8 116.13,111.74 116.39,111.61 116.48,111.57 116.6,111.51 116.76,111.43 118.35,111.41 119.61,110.72 119.95,110.52 120.3,110.33 120.5,110.21 120.56,110.17 120.91,109.97 121.1,109.86 121.25,109.77 121.44,109.65 121.6,109.56 121.79,109.45 121.95,109.35 122.13,109.24 122.29,109.14 123.65,109.13 124.78,108.39 126.34,107.33 127.87,106.22 129.38,105.07 130.85,103.89 132.29,102.67 133.7,101.41 135.08,100.12 136.42,98.79 137.73,97.43 139.01,96.03 140.24,94.6 141.45,93.14 142.18,92.2 ; U401.19 139.21,24.89 139.21,21.92 140.91,20.22 148.96,20.22 149.78,19.4 151.99,19.4 v2(152.08,19.49) 152.1,19.49 152.34,19.73 152.58,20.34 153.25,22.11 153.87,23.9 154.44,25.7 154.97,27.51 155.45,29.34 155.88,31.18 156.26,33.03 156.6,34.89 156.89,36.76 157.13,38.63 157.32,40.51 157.47,42.4 157.55,43.91 156.87,44.93 156.88,45.12 156.88,45.33 156.89,45.52 156.89,45.74 156.89,45.92 156.9,46.14 156.9,46.32 156.9,46.54 156.9,46.94 156.9,47.02 156.9,47.25 156.9,47.65 156.9,48.04 156.89,48.44 156.6,48.84 156.59,49.25 156.58,49.47 156.56,50.09 156.54,50.57 156.07,51.17 156.07,51.27 156.05,51.57 156.04,51.68 156.03,51.82 156.02,51.99 156,52.39 155.99,52.44 155.96,52.8 156.6,53.73 156.58,54.01 156.56,54.23 156.54,54.41 156.49,54.86 156.44,55.35 156.36,55.99 156.95,56.98 156.91,57.24 ; 156.91,57.24 156.77,58.24 156.46,60.1 156.11,61.96 155.7,63.8 155.25,65.64 154.75,67.46 154.2,69.27 153.61,71.06 152.97,72.84 152.29,74.6 151.56,76.35 150.79,78.07 149.97,79.78 149.11,81.46 148.19,81.67 148.1,81.84 147.99,82.02 147.9,82.19 147.8,82.38 147.71,82.54 147.6,82.73 147.52,82.88 147.41,83.08 147.21,83.43 147.17,83.49 147.05,83.7 146.85,84.04 146.65,84.38 145.91,85.6 145.57,86.13 145.49,86.27 144.54,86.42 144.44,86.57 144.37,86.68 144.32,86.76 144.16,87.01 144.09,87.1 144.01,87.22 143.92,87.36 143.69,87.7 143.67,87.74 143.47,88.03 143.39,89.39 143.26,89.56 143.15,89.71 142.89,90.08 142.6,90.47 142.21,90.99 142.18,92.2 ; 156.91,57.24 v2(156.77,57.25) ; 142.18,92.2 v2(141.93,92.28)
  Bottom w0.2: D511.3 v2(11.6,59.62) ; D503.3 v2(15.05,21.73) ; D551.3 v2(141.93,92.28) ; D535.3 v2(152.08,19.49) ; D559.3 v2(111.57,115.2) ; D527.3 v2(58.68,116.07) ; D519.3 v2(27.58,94.15) ; D543.3 v2(156.77,57.25)
LED_r02: length 14.9
  Top w0.25: Q503.1 R408.2 29.95,15.5 29.5,15.95 27.2,15.95 25.78,17.37 25.78,20.14 25.16,20.77 U402.13
LED_R03: length 339.6
  Top w0.2: 152.73,24.65 152.63,24.33 v2(152.52,24.41) ; 152.73,24.65 152.13,22.87 151.32,22.62 150.12,21.42 141.41,21.42 140.41,22.42 140.41,23.97 U401.22 ; 152.73,24.65 153.39,26.68 153.89,28.47 154.34,30.27 154.75,32.08 155.12,33.9 155.43,35.73 155.7,37.57 155.92,39.41 156.09,41.26 156.19,42.7 155.54,43.75 155.55,43.96 155.55,44.16 155.56,44.36 155.57,44.56 155.58,44.76 155.58,44.97 155.59,45.16 155.59,45.37 155.6,45.55 155.6,45.76 155.61,45.94 155.61,46.16 155.61,46.33 155.61,46.55 155.61,46.94 155.61,47.02 155.61,47.2 155.33,47.61 155.33,47.63 155.32,48.02 155.32,48.42 155.31,48.82 155.3,49.21 154.85,49.79 154.84,49.99 154.84,50.02 154.82,50.4 154.81,50.58 154.81,50.71 154.8,50.8 154.79,51.1 154.78,51.2 154.76,51.49 154.76,51.6 154.75,51.74 154.74,51.9 154.71,52.3 154.7,52.35 154.68,52.7 154.67,52.82 154.65,53.04 154.65,53.09 154.62,53.43 154.61,53.49 154.58,53.82 154.56,54.03 154.54,54.21 154.5,54.65 154.44,55.12 154.44,55.19 154.42,55.35 154.37,55.74 154.36,55.82 154.32,56.13 154.3,56.3 154.29,56.35 154.27,56.54 154.21,56.94 154.21,56.96 154.16,57.34 154.75,58.17 154.69,58.57 154.66,58.74 154.62,58.96 154.56,59.37 154.47,59.85 154.35,60.48 154.85,61.55 154.81,61.74 ; v2(154.68,61.72) 154.81,61.74 ; 154.81,61.74 154.3,64.13 153.84,65.93 153.33,67.71 152.78,69.49 152.18,71.24 151.54,72.99 150.85,74.71 150.12,76.42 149.35,78.1 148.53,79.77 147.62,79.98 147.52,80.17 147.43,80.34 147.34,80.52 147.24,80.7 147.15,80.88 147.05,81.06 146.96,81.22 146.86,81.41 146.77,81.57 146.67,81.76 146.58,81.91 146.48,82.1 146.39,82.25 146.28,82.45 146.09,82.79 146.05,82.85 145.94,83.05 145.74,83.38 145.54,83.72 145.1,84.46 144.11,84.69 144.01,84.86 143.88,85.06 143.79,85.2 143.68,85.38 143.58,85.53 143.51,85.64 143.46,85.72 143.36,85.86 143.3,85.97 143.24,86.05 143.08,86.29 143.02,86.39 142.94,86.5 142.85,86.64 142.63,86.97 142.6,87.01 142.4,87.3 142.33,87.4 142.2,87.58 142.18,87.63 141.98,87.9 141.95,87.95 141.75,88.22 141.63,88.4 141.53,88.54 141.27,88.9 140.99,89.28 140.94,89.34 140.85,89.47 140.61,89.78 140.56,89.85 140.37,90.1 140.27,90.23 140.24,90.27 140.13,90.42 139.88,90.74 139.86,90.76 139.63,91.05 139.62,92.22 139.48,92.39 139.37,92.52 139.22,92.7 138.96,93.01 138.65,93.39 138.23,93.88 138.24,94.92 136.35,97.01 135.06,98.33 133.72,99.63 132.36,100.89 130.96,102.11 129.54,103.3 128.08,104.45 126.59,105.56 125.08,106.63 123.93,107.41 122.64,107.39 122.46,107.51 122.3,107.61 122.13,107.72 121.96,107.83 121.79,107.93 121.61,108.04 121.45,108.14 121.27,108.25 121.12,108.35 120.93,108.46 120.78,108.55 120.59,108.66 120.45,108.75 120.25,108.86 119.92,109.06 119.85,109.09 119.65,109.21 119.31,109.4 118.98,109.59 118.79,109.7 117.25,109.72 117.08,109.81 116.87,109.92 116.72,110 116.53,110.1 116.37,110.18 116.25,110.24 116.17,110.28 116.02,110.36 115.9,110.42 115.81,110.46 115.56,110.59 115.46,110.64 115.33,110.7 115.18,110.78 114.82,110.95 114.78,110.97 114.47,111.12 114.36,111.17 114.15,111.27 114.11,111.29 113.8,111.43 113.74,111.46 113.44,111.6 113.37,111.63 113.25,111.69 113.08,111.76 112.68,111.94 112.25,112.13 112.18,112.16 112.04,112.22 111.67,112.38 111.6,112.41 111.31,112.53 111.15,112.59 111.11,112.61 110.93,112.68 110.56,112.84 110.53,112.85 110.19,112.99 109.76,113.92 109.39,114.06 109.22,114.13 109.01,114.21 108.62,114.35 108.17,114.51 107.56,114.73 107.13,115.62 105.69,116.1 103.91,116.63 102.12,117.12 100.32,117.56 98.51,117.96 96.68,118.31 94.85,118.61 93.01,118.87 91.17,119.07 89.32,119.23 87.46,119.35 85.61,119.41 83.75,119.43 81.89,119.4 80.04,119.32 78.19,119.2 76.34,119.02 74.49,118.8 72.66,118.54 70.83,118.22 69.01,117.86 67.2,117.45 65.4,117 63.61,116.5 62.07,116.02 61.45,115.07 60.98,114.92 60.6,114.78 60.37,114.71 60.22,114.65 60.01,114.58 59.84,114.52 59.63,114.44 59.55,114.41 58.79,113.37 58.63,113.3 58.46,113.24 58.41,113.22 58.26,113.16 58.03,113.07 57.89,113.02 57.75,112.96 57.69,112.94 57.52,112.87 57.37,112.81 57.32,112.79 56.99,112.65 56.88,112.61 56.48,112.44 56.3,112.37 56.11,112.29 55.92,112.2 55.75,112.13 55.55,112.04 55.4,111.97 55.24,111.91 55.07,111.83 54.87,111.74 54.71,111.67 54.5,111.57 54.35,111.5 54.2,111.43 54.14,111.41 53.98,111.33 53.78,111.24 53.63,111.17 53.5,111.11 53.43,111.07 53.28,111 53.14,110.93 53.08,110.9 52.79,110.76 52.66,110.7 52.46,110.6 52.43,110.58 52.11,110.42 52.07,110.4 51.76,110.25 50.37,110.33 50.2,110.23 50,110.13 49.85,110.05 49.66,109.94 49.31,109.75 49.25,109.72 49.05,109.61 48.71,109.42 48.37,109.22 48.03,109.03 47.69,108.83 47.35,108.63 47.01,108.42 46.66,108.21 46.32,108 45.38,108.24 42.91,106.62 41.39,105.55 39.9,104.43 38.45,103.28 37.02,102.1 35.62,100.87 34.26,99.61 32.93,98.32 31.63,96.99 30.58,95.86 30.47,94.68 30.15,94.31 29.88,94.01 29.73,93.82 29.62,93.7 29.48,93.53 29.36,93.39 29.21,93.22 29.1,93.08 29.03,91.87 28.91,91.74 28.8,91.6 28.77,91.56 28.67,91.43 28.52,91.24 28.42,91.12 28.32,91 28.28,90.95 28.18,90.81 28.07,90.68 28.04,90.63 27.82,90.35 27.75,90.26 27.49,89.91 27.37,89.76 27.25,89.6 27.12,89.43 27.01,89.28 26.88,89.11 26.78,88.97 26.68,88.83 26.57,88.68 26.45,88.5 26.34,88.36 26.21,88.17 26.11,88.03 26.02,87.91 25.98,87.85 25.88,87.7 25.75,87.52 25.66,87.38 25.58,87.27 25.53,87.2 25.43,87.06 25.35,86.94 25.31,86.88 25.13,86.61 25.05,86.49 24.93,86.31 24.91,86.28 24.71,85.98 24.69,85.95 24.5,85.65 24.47,85.61 23.47,85.37 23.36,85.19 23.25,85.03 23.15,84.86 23.03,84.68 22.94,84.53 22.83,84.34 22.62,84 22.59,83.94 22.47,83.74 22.27,83.41 22.07,83.07 21.88,82.73 21.68,82.39 21.49,82.04 21.29,81.7 21.1,81.34 20.91,80.99 19.88,80.53 18.64,78.09 17.87,76.4 17.14,74.69 16.45,72.97 15.81,71.22 15.21,69.47 14.66,67.69 14.16,65.91 13.7,64.11 13.39,62.76 13.85,61.52 13.76,61.05 13.68,60.65 13.63,60.41 13.6,60.25 13.56,60.03 13.53,59.85 13.49,59.63 13.46,59.46 14,58.37 13.97,58.2 13.95,58.02 13.94,57.97 13.91,57.81 13.88,57.57 13.85,57.42 13.82,57.2 13.8,57.03 13.77,56.86 13.77,56.81 13.71,56.41 13.7,56.34 13.65,55.91 13.62,55.72 13.6,55.51 13.58,55.3 13.55,55.12 13.53,54.91 13.51,54.74 13.49,54.57 13.47,54.38 13.45,54.17 13.43,53.98 13.41,53.76 13.4,53.59 13.38,53.43 13.38,53.36 13.36,53.19 13.34,52.97 13.33,52.8 13.32,52.66 13.31,52.58 13.3,52.41 13.29,52.27 13.28,52.19 13.26,51.87 13.25,51.73 13.23,51.47 13.21,51.11 13.21,51.07 13.19,50.67 12.43,49.58 12.42,49.36 12.41,49.14 12.41,48.97 12.4,48.75 12.4,48.36 12.39,48.28 12.39,48.05 12.39,47.66 12.38,47.27 12.38,46.88 12.39,46.49 12.39,46.09 12.4,45.69 12.41,45.29 12.42,44.89 11.75,44.01 11.91,41.24 12.08,39.39 12.3,37.55 12.57,35.71 12.89,33.88 13.25,32.06 13.66,30.25 14.11,28.45 14.62,26.66